# KiCad board motordecoder2-roomlight.kicad_pcb (continued)
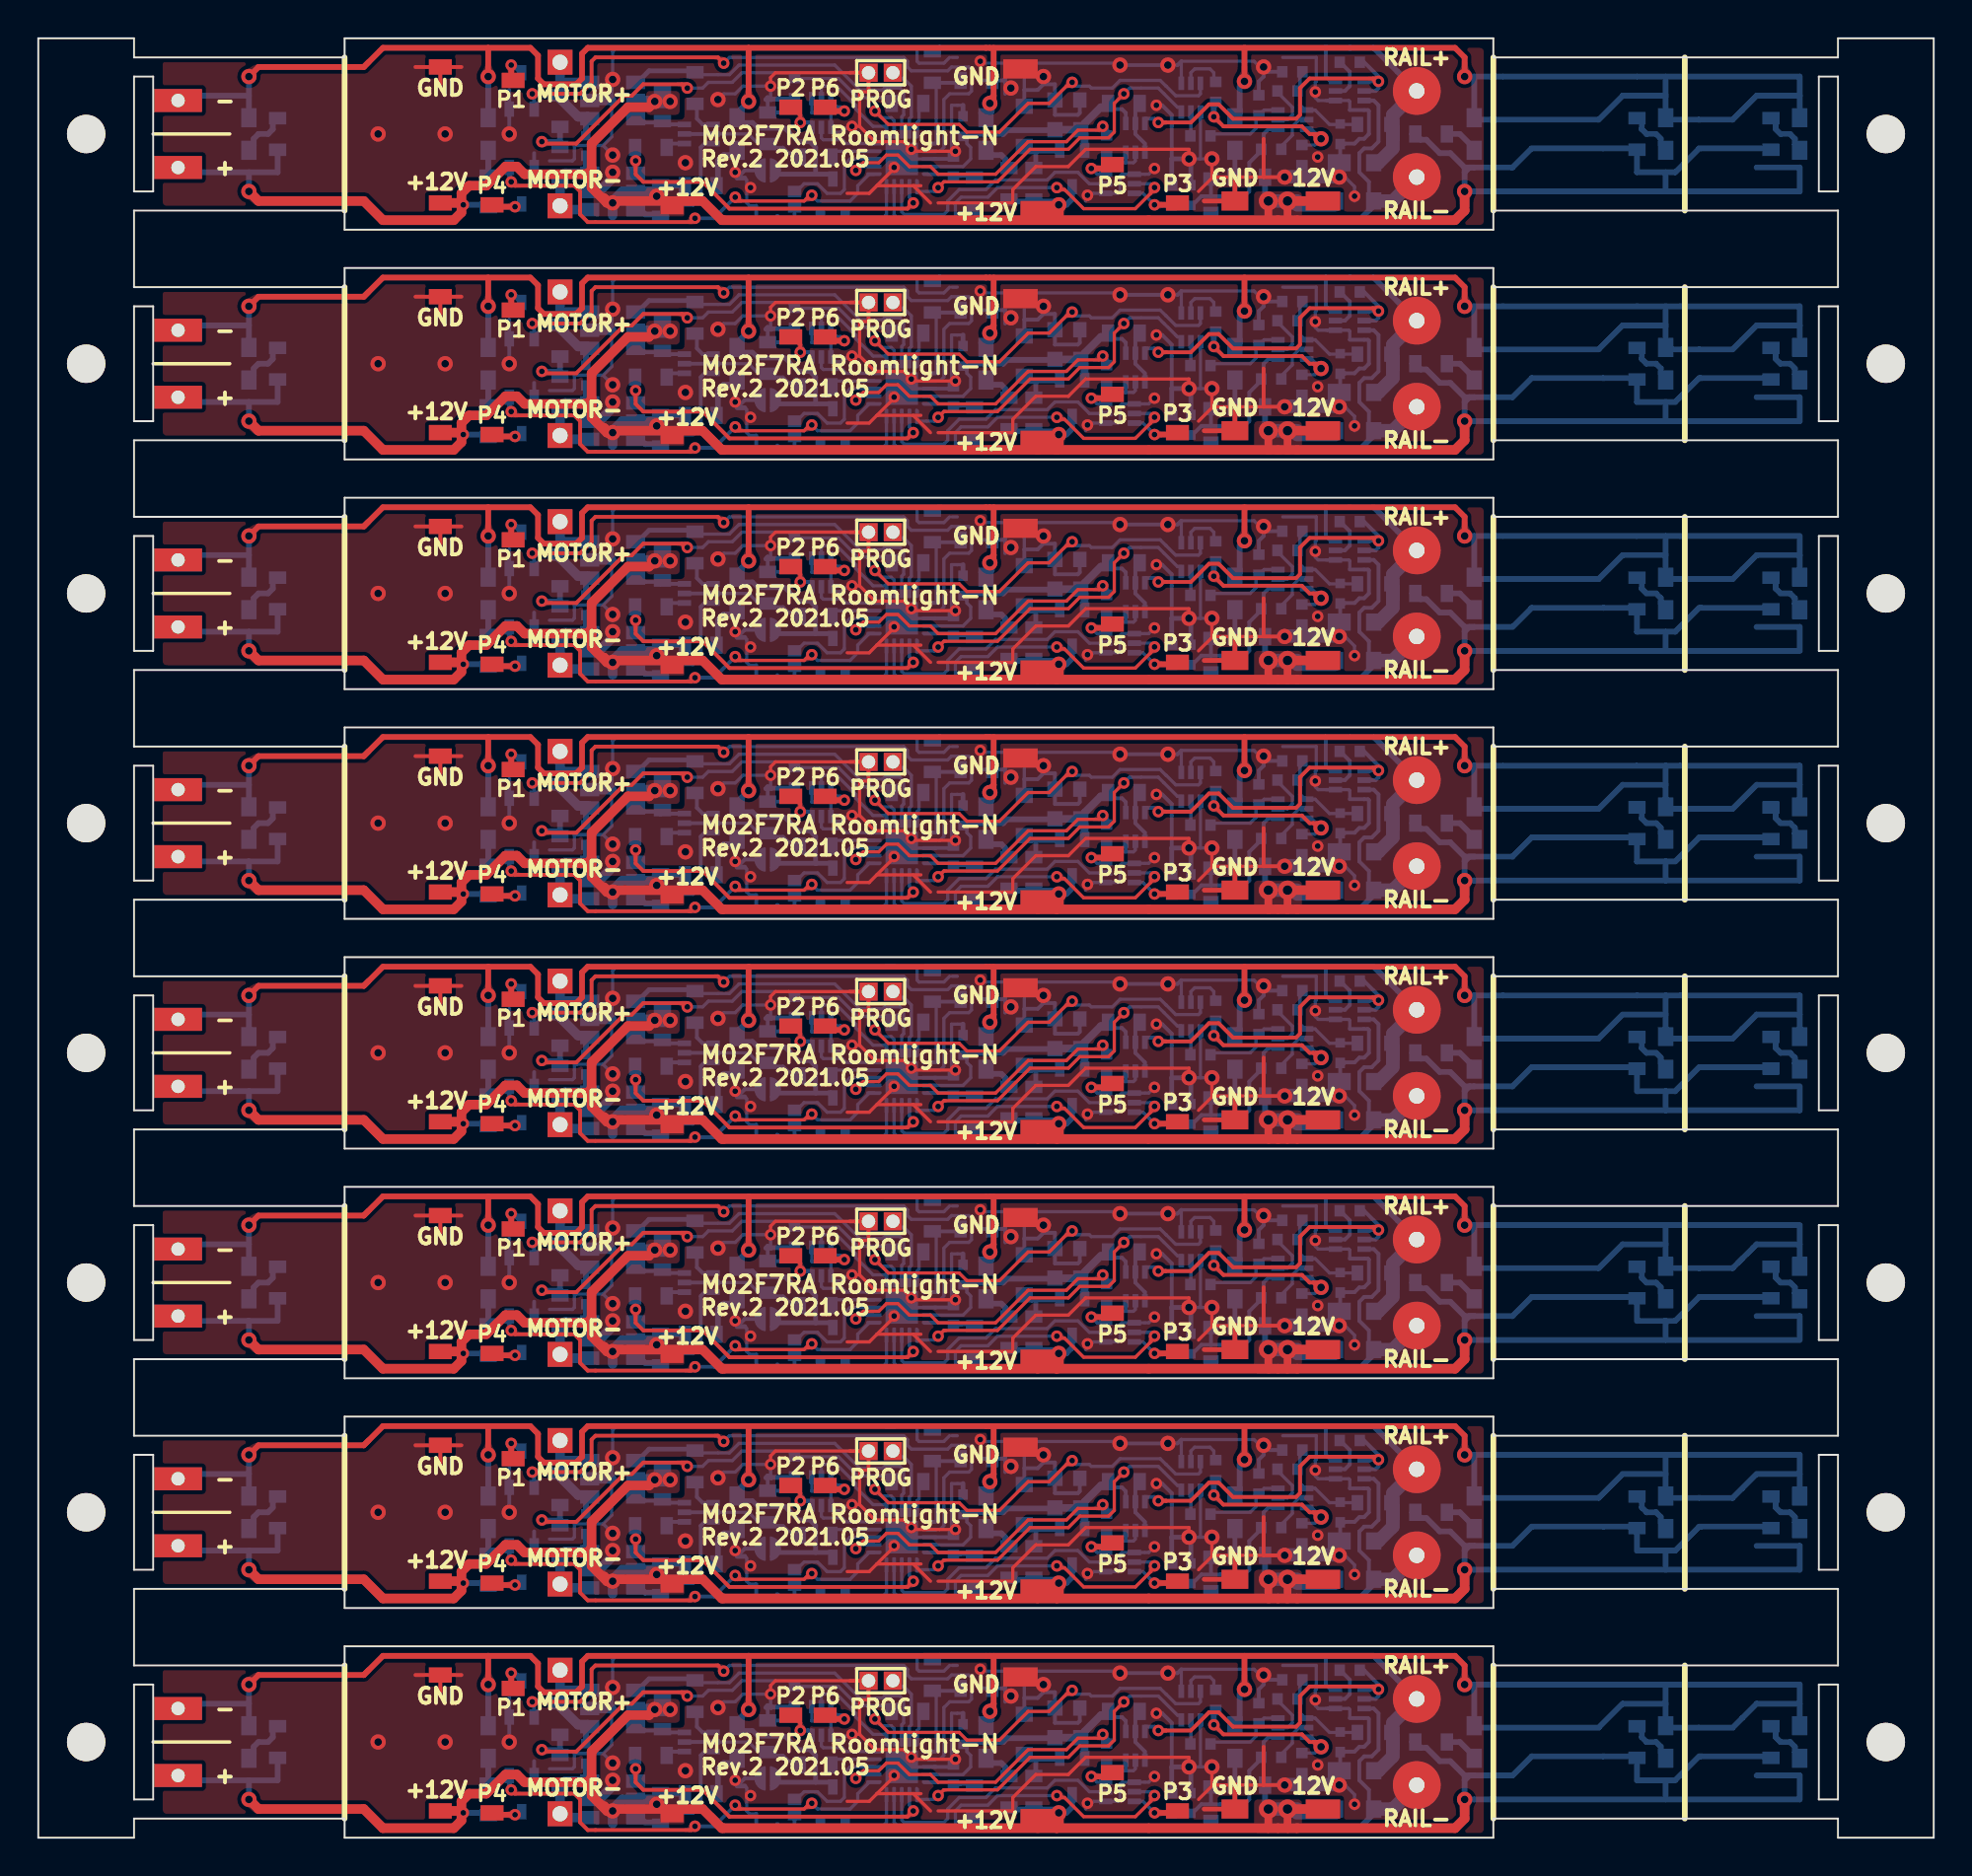
[diagram p0: board, top side]
## Routing (per net, layer and track width the routed paths; a pad name or vN(x,y) marks a point on that pad's centre or on a via; arc(x,y) is an arc through that point) (continued)
  Bottom w0.25: Q17#2.3 41.5,74.8 41.4,74.9 40.6,74.9 ; Q17#2.3 41.5,74.7 ; Q17#2.3 41.45,74.65 ; Q17#3.3 41.5,62.8 41.4,62.9 40.6,62.9 ; Q17#3.3 41.5,62.7 ; Q17#3.3 41.45,62.65 ; Q17#4.3 41.5,50.8 41.4,50.9 40.6,50.9 ; Q17#4.3 41.5,50.7 ; Q17#4.3 41.45,50.65 ; Q17#5.3 41.5,38.8 41.4,38.9 40.6,38.9 ; Q17#5.3 41.5,38.7 ; Q17#5.3 41.45,38.65 ; Q17#6.3 41.5,26.8 41.4,26.9 40.6,26.9 ; Q17#6.3 41.5,26.7 ; Q17#6.3 41.45,26.65 ; Q17#7.3 41.5,14.8 41.4,14.9 40.6,14.9 ; Q17#7.3 41.5,14.7 ; Q17#7.3 41.45,14.65 ; Q17#8.3 41.5,2.8 41.4,2.9 40.6,2.9 ; Q17#8.3 41.5,2.7 ; Q17#8.3 41.45,2.65 ; 40.6,74.9 38.55,74.9 38.35,74.7 ; 40.6,74.9 40.6,76.3 40.3,76.6 39.7,76.6 39,77.3 37.6,77.3 37.3,77.6 36.75,77.6 D46#2.1 36.55,77.8 ; 40.6,62.9 38.55,62.9 38.35,62.7 ; 40.6,62.9 40.6,64.3 40.3,64.6 39.7,64.6 39,65.3 37.6,65.3 37.3,65.6 36.75,65.6 D46#3.1 36.55,65.8 ; 40.6,50.9 38.55,50.9 38.35,50.7 ; 40.6,50.9 40.6,52.3 40.3,52.6 39.7,52.6 39,53.3 37.6,53.3 37.3,53.6 36.75,53.6 D46#4.1 36.55,53.8 ; 40.6,38.9 38.55,38.9 38.35,38.7 ; 40.6,38.9 40.6,40.3 40.3,40.6 39.7,40.6 39,41.3 37.6,41.3 37.3,41.6 36.75,41.6 D46#5.1 36.55,41.8 ; 40.6,26.9 38.55,26.9 38.35,26.7 ; 40.6,26.9 40.6,28.3 40.3,28.6 39.7,28.6 39,29.3 37.6,29.3 37.3,29.6 36.75,29.6 D46#6.1 36.55,29.8 ; 40.6,14.9 38.55,14.9 38.35,14.7 ; 40.6,14.9 40.6,16.3 40.3,16.6 39.7,16.6 39,17.3 37.6,17.3 37.3,17.6 36.75,17.6 D46#7.1 36.55,17.8 ; 40.6,2.9 38.55,2.9 38.35,2.7 ; 40.6,2.9 40.6,4.3 40.3,4.6 39.7,4.6 39,5.3 37.6,5.3 37.3,5.6 36.75,5.6 D46#8.1 36.55,5.8 ; 62.5,77.75 D44#2.1 ; 62.5,65.75 D44#3.1 ; 62.5,53.75 D44#4.1 ; 62.5,41.75 D44#5.1 ; 62.5,29.75 D44#6.1 ; 62.5,17.75 D44#7.1 ; 62.5,5.75 D44#8.1 ; 40.6,86.9 38.55,86.9 38.35,86.7 ; 40.6,86.9 40.6,88.3 40.3,88.6 39.7,88.6 39,89.3 37.6,89.3 37.3,89.6 36.75,89.6 D46.1 36.55,89.8 ; 40.6,86.9 41.4,86.9 41.5,86.8 Q17.3 ; 62.5,89.75 D44.1 ; Q17.3 41.45,86.65 ; Q17.3 41.5,86.7
  Bottom w0.3: D47#2.1 23.6,77.85 ; D47#2.1 23.5,78 ; D47#2.1 v1(23.5,80) ; D47#3.1 23.6,65.85 ; D47#3.1 23.5,66 ; D47#3.1 v1(23.5,68) ; D47#4.1 23.6,53.85 ; D47#4.1 23.5,54 ; D47#4.1 v1(23.5,56) ; D47#5.1 23.6,41.85 ; D47#5.1 23.5,42 ; D47#5.1 v1(23.5,44) ; D47#6.1 23.6,29.85 ; D47#6.1 23.5,30 ; D47#6.1 v1(23.5,32) ; D47#7.1 23.6,17.85 ; D47#7.1 23.5,18 ; D47#7.1 v1(23.5,20) ; D47#8.1 23.6,5.85 ; D47#8.1 23.5,6 ; D47#8.1 v1(23.5,8) ; D42#2.1 84.9,77.75 ; D42#2.1 85,79 ; D42#2.1 85.1,77.75 88.5,77.75 89.75,79 92,79 ; D42#3.1 84.9,65.75 ; D42#3.1 85,67 ; D42#3.1 85.1,65.75 88.5,65.75 89.75,67 92,67 ; D42#4.1 84.9,53.75 ; D42#4.1 85,55 ; D42#4.1 85.1,53.75 88.5,53.75 89.75,55 92,55 ; D42#5.1 84.9,41.75 ; D42#5.1 85,43 ; D42#5.1 85.1,41.75 88.5,41.75 89.75,43 92,43 ; D42#6.1 84.9,29.75 ; D42#6.1 85,31 ; D42#6.1 85.1,29.75 88.5,29.75 89.75,31 92,31 ; D42#7.1 84.9,17.75 ; D42#7.1 85,19 ; D42#7.1 85.1,17.75 88.5,17.75 89.75,19 92,19 ; D42#8.1 84.9,5.75 ; D42#8.1 85,7 ; D42#8.1 85.1,5.75 88.5,5.75 89.75,7 92,7 ; 85,80 75,80 ; 85,80 92,80 92,79 ; 85,80 85,79 ; 85,68 75,68 ; 85,68 92,68 92,67 ; 85,68 85,67 ; 85,56 75,56 ; 85,56 92,56 92,55 ; 85,56 85,55 ; 85,44 75,44 ; 85,44 92,44 92,43 ; 85,44 85,43 ; 85,32 75,32 ; 85,32 92,32 92,31 ; 85,32 85,31 ; 85,20 75,20 ; 85,20 92,20 92,19 ; 85,20 85,19 ; 85,8 75,8 ; 85,8 92,8 92,7 ; 85,8 85,7 ; 85,79 82.75,79 81.5,77.75 75.1,77.75 D43#2.1 ; 85,67 82.75,67 81.5,65.75 75.1,65.75 D43#3.1 ; 85,55 82.75,55 81.5,53.75 75.1,53.75 D43#4.1 ; 85,43 82.75,43 81.5,41.75 75.1,41.75 D43#5.1 ; 85,31 82.75,31 81.5,29.75 75.1,29.75 D43#6.1 ; 85,19 82.75,19 81.5,17.75 75.1,17.75 D43#7.1 ; 85,7 82.75,7 81.5,5.75 75.1,5.75 D43#8.1 ; 75,77.75 D43#2.1 ; D43#2.1 75,80 ; 75,65.75 D43#3.1 ; D43#3.1 75,68 ; 75,53.75 D43#4.1 ; D43#4.1 75,56 ; 75,41.75 D43#5.1 ; D43#5.1 75,44 ; 75,29.75 D43#6.1 ; D43#6.1 75,32 ; 75,17.75 D43#7.1 ; D43#7.1 75,20 ; 75,5.75 D43#8.1 ; D43#8.1 75,8 ; 92,79 D41#2.1 91.9,77.75 ; 92,67 D41#3.1 91.9,65.75 ; 92,55 D41#4.1 91.9,53.75 ; 92,43 D41#5.1 91.9,41.75 ; 92,31 D41#6.1 91.9,29.75 ; 92,19 D41#7.1 91.9,17.75 ; 92,7 D41#8.1 91.9,5.75 ; D44#2.1 62.75,78.1 62.75,79.5 v1(63,79.75) ; D44#3.1 62.75,66.1 62.75,67.5 v1(63,67.75) ; D44#4.1 62.75,54.1 62.75,55.5 v1(63,55.75) ; D44#5.1 62.75,42.1 62.75,43.5 v1(63,43.75) ; D44#6.1 62.75,30.1 62.75,31.5 v1(63,31.75) ; D44#7.1 62.75,18.1 62.75,19.5 v1(63,19.75) ; D44#8.1 62.75,6.1 62.75,7.5 v1(63,7.75) ; 7.75,78.75 8,79 11,79 ; 7.75,66.75 8,67 11,67 ; 7.75,54.75 8,55 11,55 ; 7.75,42.75 8,43 11,43 ; 7.75,30.75 8,31 11,31 ; 7.75,18.75 8,19 11,19 ; 7.75,6.75 8,7 11,7 ; 75,80 v1(74.5,80) ; 75,68 v1(74.5,68) ; 75,56 v1(74.5,56) ; 75,44 v1(74.5,44) ; 75,32 v1(74.5,32) ; 75,20 v1(74.5,20) ; 75,8 v1(74.5,8) ; 36.6,77.95 D46#2.1 ; D46#2.1 36.5,78.1 v1(37.1,78.7) ; D46#2.1 36.3,78.05 ; D46#2.1 36.75,78.1 ; 36.6,65.95 D46#3.1 ; D46#3.1 36.5,66.1 v1(37.1,66.7) ; D46#3.1 36.3,66.05 ; D46#3.1 36.75,66.1 ; 36.6,53.95 D46#4.1 ; D46#4.1 36.5,54.1 v1(37.1,54.7) ; D46#4.1 36.3,54.05 ; D46#4.1 36.75,54.1 ; 36.6,41.95 D46#5.1 ; D46#5.1 36.5,42.1 v1(37.1,42.7) ; D46#5.1 36.3,42.05 ; D46#5.1 36.75,42.1 ; 36.6,29.95 D46#6.1 ; D46#6.1 36.5,30.1 v1(37.1,30.7) ; D46#6.1 36.3,30.05 ; D46#6.1 36.75,30.1 ; 36.6,17.95 D46#7.1 ; D46#7.1 36.5,18.1 v1(37.1,18.7) ; D46#7.1 36.3,18.05 ; D46#7.1 36.75,18.1 ; 36.6,5.95 D46#8.1 ; D46#8.1 36.5,6.1 v1(37.1,6.7) ; D46#8.1 36.3,6.05 ; D46#8.1 36.75,6.1 ; 10.9,77.75 D48#2.1 11,79 ; 10.9,65.75 D48#3.1 11,67 ; 10.9,53.75 D48#4.1 11,55 ; 10.9,41.75 D48#5.1 11,43 ; 10.9,29.75 D48#6.1 11,31 ; 10.9,17.75 D48#7.1 11,19 ; 10.9,5.75 D48#8.1 11,7 ; 11,79 v1(11,80) ; 11,67 v1(11,68) ; 11,55 v1(11,56) ; 11,43 v1(11,44) ; 11,31 v1(11,32) ; 11,19 v1(11,20) ; 11,7 v1(11,8) ; D45#2.1 49.25,78.1 ; D45#2.1 49.5,77.9 49.8,78.2 49.8,78.8 ; D45#2.1 49.7,78.05 ; D45#3.1 49.25,66.1 ; D45#3.1 49.5,65.9 49.8,66.2 49.8,66.8 ; D45#3.1 49.7,66.05 ; D45#4.1 49.25,54.1 ; D45#4.1 49.5,53.9 49.8,54.2 49.8,54.8 ; D45#4.1 49.7,54.05 ; D45#5.1 49.25,42.1 ; D45#5.1 49.5,41.9 49.8,42.2 49.8,42.8 ; D45#5.1 49.7,42.05 ; D45#6.1 49.25,30.1 ; D45#6.1 49.5,29.9 49.8,30.2 49.8,30.8 ; D45#6.1 49.7,30.05 ; D45#7.1 49.25,18.1 ; D45#7.1 49.5,17.9 49.8,18.2 49.8,18.8 ; D45#7.1 49.7,18.05 ; D45#8.1 49.25,6.1 ; D45#8.1 49.5,5.9 49.8,6.2 49.8,6.8 ; D45#8.1 49.7,6.05 ; 75,92 85,92 ; 75,92 D43.1 ; 75,92 v1(74.5,92) ; v1(63,91.75) 62.75,91.5 62.75,90.1 D44.1 ; D47.1 23.5,90 ; D47.1 v1(23.5,92) ; D47.1 23.6,89.85 ; 49.8,90.8 49.8,90.2 49.5,89.9 D45.1 ; D42.1 84.9,89.75 ; D42.1 85,91 ; D42.1 85.1,89.75 88.5,89.75 89.75,91 92,91 ; 85,91 82.75,91 81.5,89.75 75.1,89.75 D43.1 ; 85,91 85,92 ; 11,91 D48.1 10.9,89.75 ; 11,91 8,91 7.75,90.75 ; 11,91 v1(11,92) ; D43.1 75,89.75 ; 85,92 92,92 92,91 ; D45.1 49.25,90.1 ; D45.1 49.7,90.05 ; 36.6,89.95 D46.1 ; D46.1 36.75,90.1 ; D46.1 36.5,90.1 v1(37.1,90.7) ; D46.1 36.3,90.05 ; 92,91 D41.1 91.9,89.75
Net-(D41-Pad2): length 23.3
  Bottom w0.3: 90.6,89.75 90.5,89.85 90.75,89.6 90.75,89.25 91,89 91.5,89 91.75,88.75 91.75,88.45 92,88.2 ; 92,76.2 91.75,76.45 91.75,76.75 91.5,77 91,77 90.75,77.25 90.75,77.6 90.5,77.85 90.6,77.75 ; 92,64.2 91.75,64.45 91.75,64.75 91.5,65 91,65 90.75,65.25 90.75,65.6 90.5,65.85 90.6,65.75 ; 92,52.2 91.75,52.45 91.75,52.75 91.5,53 91,53 90.75,53.25 90.75,53.6 90.5,53.85 90.6,53.75 ; 92,40.2 91.75,40.45 91.75,40.75 91.5,41 91,41 90.75,41.25 90.75,41.6 90.5,41.85 90.6,41.75 ; 92,28.2 91.75,28.45 91.75,28.75 91.5,29 91,29 90.75,29.25 90.75,29.6 90.5,29.85 90.6,29.75 ; 92,16.2 91.75,16.45 91.75,16.75 91.5,17 91,17 90.75,17.25 90.75,17.6 90.5,17.85 90.6,17.75 ; 92,4.2 91.75,4.45 91.75,4.75 91.5,5 91,5 90.75,5.25 90.75,5.6 90.5,5.85 90.6,5.75 ; 90.45,77.75 90.5,77.8 ; 90.45,65.75 90.5,65.8 ; 90.45,53.75 90.5,53.8 ; 90.45,41.75 90.5,41.8 ; 90.45,29.75 90.5,29.8 ; 90.45,17.75 90.5,17.8 ; 90.45,5.75 90.5,5.8 ; 91.9,76.25 D41#2.2 ; 91.9,64.25 D41#3.2 ; 91.9,52.25 D41#4.2 ; 91.9,40.25 D41#5.2 ; 91.9,28.25 D41#6.2 ; 91.9,16.25 D41#7.2 ; 91.9,4.25 D41#8.2 ; 90.45,89.75 90.5,89.8 ; 91.9,88.25 D41.2
Net-(D42-Pad2): length 24.5
  Bottom w0.3: 83.6,89.75 83.5,89.85 83.75,89.6 83.75,89.25 84,89 84.5,89 84.75,88.75 84.75,88.45 85,88.2 ; 84.9,76.25 D42#2.2 85.1,76.25 ; 84.9,64.25 D42#3.2 85.1,64.25 ; 84.9,52.25 D42#4.2 85.1,52.25 ; 84.9,40.25 D42#5.2 85.1,40.25 ; 84.9,28.25 D42#6.2 85.1,28.25 ; 84.9,16.25 D42#7.2 85.1,16.25 ; 84.9,4.25 D42#8.2 85.1,4.25 ; 83.6,77.75 83.5,77.85 83.75,77.6 83.75,77.25 84,77 84.5,77 84.75,76.75 84.75,76.45 85,76.2 ; 83.6,65.75 83.5,65.85 83.75,65.6 83.75,65.25 84,65 84.5,65 84.75,64.75 84.75,64.45 85,64.2 ; 83.6,53.75 83.5,53.85 83.75,53.6 83.75,53.25 84,53 84.5,53 84.75,52.75 84.75,52.45 85,52.2 ; 83.6,41.75 83.5,41.85 83.75,41.6 83.75,41.25 84,41 84.5,41 84.75,40.75 84.75,40.45 85,40.2 ; 83.6,29.75 83.5,29.85 83.75,29.6 83.75,29.25 84,29 84.5,29 84.75,28.75 84.75,28.45 85,28.2 ; 83.6,17.75 83.5,17.85 83.75,17.6 83.75,17.25 84,17 84.5,17 84.75,16.75 84.75,16.45 85,16.2 ; 83.6,5.75 83.5,5.85 83.75,5.6 83.75,5.25 84,5 84.5,5 84.75,4.75 84.75,4.45 85,4.2 ; 83.45,77.75 83.5,77.8 ; 83.45,65.75 83.5,65.8 ; 83.45,53.75 83.5,53.8 ; 83.45,41.75 83.5,41.8 ; 83.45,29.75 83.5,29.8 ; 83.45,17.75 83.5,17.8 ; 83.45,5.75 83.5,5.8 ; 83.45,89.75 83.5,89.8 ; 84.9,88.25 D42.2 85.1,88.25
Net-(D43-Pad2): length 18.5
  Bottom w0.3: 73.55,77 73.55,77.05 73.75,77.25 ; 73.55,65 73.55,65.05 73.75,65.25 ; 73.55,53 73.55,53.05 73.75,53.25 ; 73.55,41 73.55,41.05 73.75,41.25 ; 73.55,29 73.55,29.05 73.75,29.25 ; 73.55,17 73.55,17.05 73.75,17.25 ; 73.55,5 73.55,5.05 73.75,5.25 ; R43#2.2 74.25,77 75,76.25 D43#2.2 75.1,76.25 ; R43#3.2 74.25,65 75,64.25 D43#3.2 75.1,64.25 ; R43#4.2 74.25,53 75,52.25 D43#4.2 75.1,52.25 ; R43#5.2 74.25,41 75,40.25 D43#5.2 75.1,40.25 ; R43#6.2 74.25,29 75,28.25 D43#6.2 75.1,28.25 ; R43#7.2 74.25,17 75,16.25 D43#7.2 75.1,16.25 ; R43#8.2 74.25,5 75,4.25 D43#8.2 75.1,4.25 ; 73.75,89.25 73.55,89.05 73.55,89 ; R43.2 74.25,89 75,88.25 D43.2 75.1,88.25
Net-(D44-Pad2): length 12.5
  Bottom w0.25: R44#2.2 62.5,74.83 D44#2.2 62.5,76.25 ; R44#3.2 62.5,62.83 D44#3.2 62.5,64.25 ; R44#4.2 62.5,50.83 D44#4.2 62.5,52.25 ; R44#5.2 62.5,38.83 D44#5.2 62.5,40.25 ; R44#6.2 62.5,26.83 D44#6.2 62.5,28.25 ; R44#7.2 62.5,14.83 D44#7.2 62.5,16.25 ; R44#8.2 62.5,2.83 D44#8.2 62.5,4.25 ; 62.5,88.25 D44.2 62.5,86.83 R44.2
  Bottom w0.3: 62.53,76.17 D44#2.2 ; 62.53,64.17 D44#3.2 ; 62.53,52.17 D44#4.2 ; 62.53,40.17 D44#5.2 ; 62.53,28.17 D44#6.2 ; 62.53,16.17 D44#7.2 ; 62.53,4.17 D44#8.2 ; 62.53,88.17 D44.2
Net-(D45-Pad2): length 14.8
  Bottom w0.3: D45#2.2 49.75,75.9 50.3,75.9 50.5,75.7 50.5,75.33 50.7,75.12 ; D45#3.2 49.75,63.9 50.3,63.9 50.5,63.7 50.5,63.33 50.7,63.12 ; D45#4.2 49.75,51.9 50.3,51.9 50.5,51.7 50.5,51.33 50.7,51.12 ; D45#5.2 49.75,39.9 50.3,39.9 50.5,39.7 50.5,39.33 50.7,39.12 ; D45#6.2 49.75,27.9 50.3,27.9 50.5,27.7 50.5,27.33 50.7,27.12 ; D45#7.2 49.75,15.9 50.3,15.9 50.5,15.7 50.5,15.33 50.7,15.12 ; D45#8.2 49.75,3.9 50.3,3.9 50.5,3.7 50.5,3.33 50.7,3.12 ; D45.2 49.75,87.9 50.3,87.9 50.5,87.7 50.5,87.33 50.7,87.12
Net-(D46-Pad2): length 20.5
  Bottom w0.3: D46#2.2 36.25,75.9 35.8,75.9 35.5,75.6 35.5,74.38 35.43,74.3 ; D46#3.2 36.25,63.9 35.8,63.9 35.5,63.6 35.5,62.38 35.43,62.3 ; D46#4.2 36.25,51.9 35.8,51.9 35.5,51.6 35.5,50.38 35.43,50.3 ; D46#5.2 36.25,39.9 35.8,39.9 35.5,39.6 35.5,38.38 35.43,38.3 ; D46#6.2 36.25,27.9 35.8,27.9 35.5,27.6 35.5,26.38 35.43,26.3 ; D46#7.2 36.25,15.9 35.8,15.9 35.5,15.6 35.5,14.38 35.43,14.3 ; D46#8.2 36.25,3.9 35.8,3.9 35.5,3.6 35.5,2.38 35.43,2.3 ; 35.43,86.3 35.5,86.38 35.5,87.6 35.8,87.9 36.25,87.9 D46.2
Net-(D47-Pad2): length 10.6
  Bottom w0.3: D47#2.2 R47#2.2 ; D47#3.2 R47#3.2 ; D47#4.2 R47#4.2 ; D47#5.2 R47#5.2 ; D47#6.2 R47#6.2 ; D47#7.2 R47#7.2 ; D47#8.2 R47#8.2 ; D47.2 R47.2
Net-(D48-Pad2): length 25.2
  Bottom w0.3: 10.9,88.25 D48.2 ; D48.2 11.25,88.4 11.25,88.75 11.5,89 12,89 12.25,89.25 12.25,89.58 R48.2 ; D48.2 11.1,88.25 ; D48.2 10.85,88 ; 12.55,89.75 12.5,89.8 ; D48#2.2 11.25,76.4 11.25,76.75 11.5,77 12,77 12.25,77.25 12.25,77.58 R48#2.2 ; D48#2.2 11.1,76.25 ; D48#2.2 10.85,76 ; D48#2.2 10.9,76.25 ; D48#3.2 11.25,64.4 11.25,64.75 11.5,65 12,65 12.25,65.25 12.25,65.58 R48#3.2 ; D48#3.2 11.1,64.25 ; D48#3.2 10.85,64 ; D48#3.2 10.9,64.25 ; D48#4.2 11.25,52.4 11.25,52.75 11.5,53 12,53 12.25,53.25 12.25,53.58 R48#4.2 ; D48#4.2 11.1,52.25 ; D48#4.2 10.85,52 ; D48#4.2 10.9,52.25 ; D48#5.2 11.25,40.4 11.25,40.75 11.5,41 12,41 12.25,41.25 12.25,41.58 R48#5.2 ; D48#5.2 11.1,40.25 ; D48#5.2 10.85,40 ; D48#5.2 10.9,40.25 ; D48#6.2 11.25,28.4 11.25,28.75 11.5,29 12,29 12.25,29.25 12.25,29.58 R48#6.2 ; D48#6.2 11.1,28.25 ; D48#6.2 10.85,28 ; D48#6.2 10.9,28.25 ; D48#7.2 11.25,16.4 11.25,16.75 11.5,17 12,17 12.25,17.25 12.25,17.58 R48#7.2 ; D48#7.2 11.1,16.25 ; D48#7.2 10.85,16 ; D48#7.2 10.9,16.25 ; D48#8.2 11.25,4.4 11.25,4.75 11.5,5 12,5 12.25,5.25 12.25,5.58 R48#8.2 ; D48#8.2 11.1,4.25 ; D48#8.2 10.85,4 ; D48#8.2 10.9,4.25 ; 12.55,77.75 12.5,77.8 ; 12.55,65.75 12.5,65.8 ; 12.55,53.75 12.5,53.8 ; 12.55,41.75 12.5,41.8 ; 12.55,29.75 12.5,29.8 ; 12.55,17.75 12.5,17.8 ; 12.55,5.75 12.5,5.8
Net-(J11-Pad1): length 12.1
  Top w0.3: v3(24.7,80.6) 24.7,79.8 ; v3(24.7,68.6) 24.7,67.8 ; v3(24.7,56.6) 24.7,55.8 ; v3(24.7,44.6) 24.7,43.8 ; v3(24.7,32.6) 24.7,31.8 ; v3(24.7,20.6) 24.7,19.8 ; v3(24.7,8.6) 24.7,7.8 ; v3(24.7,92.6) 24.7,91.8
  Bottom w0.3: Q11#2.3 24.85,80.6 v3(24.7,80.6) ; Q11#3.3 24.85,68.6 v3(24.7,68.6) ; Q11#4.3 24.85,56.6 v3(24.7,56.6) ; Q11#5.3 24.85,44.6 v3(24.7,44.6) ; Q11#6.3 24.85,32.6 v3(24.7,32.6) ; Q11#7.3 24.85,20.6 v3(24.7,20.6) ; Q11#8.3 24.85,8.6 v3(24.7,8.6) ; Q11.3 24.85,92.6 v3(24.7,92.6)
Net-(J12-Pad1): length 13.2
  Top w0.3: J12#2.1 23.8,73.2 v3(24.9,73.2) ; J12#3.1 23.8,61.2 v3(24.9,61.2) ; J12#4.1 23.8,49.2 v3(24.9,49.2) ; J12#5.1 23.8,37.2 v3(24.9,37.2) ; J12#6.1 23.8,25.2 v3(24.9,25.2) ; J12#7.1 23.8,13.2 v3(24.9,13.2) ; J12#8.1 23.8,1.2 v3(24.9,1.2) ; J12.1 23.8,85.2 v3(24.9,85.2)
  Bottom w0.3: Q12#2.3 25.05,73.35 v3(24.9,73.2) ; Q12#3.3 25.05,61.35 v3(24.9,61.2) ; Q12#4.3 25.05,49.35 v3(24.9,49.2) ; Q12#5.3 25.05,37.35 v3(24.9,37.2) ; Q12#6.3 25.05,25.35 v3(24.9,25.2) ; Q12#7.3 25.05,13.35 v3(24.9,13.2) ; Q12#8.3 25.05,1.35 v3(24.9,1.2) ; v3(24.9,85.2) 25.05,85.35 Q12.3
Net-(J13-Pad1): length 16.5
  Top w0.3: J13#2.1 55.9,75.2 v3(55,75.2) ; J13#3.1 55.9,63.2 v3(55,63.2) ; J13#4.1 55.9,51.2 v3(55,51.2) ; J13#5.1 55.9,39.2 v3(55,39.2) ; J13#6.1 55.9,27.2 v3(55,27.2) ; J13#7.1 55.9,15.2 v3(55,15.2) ; J13#8.1 55.9,3.2 v3(55,3.2) ; v3(55,87.2) 55.9,87.2 J13.1
  Bottom w0.17: Q13#2.6 55.3,74.9 v3(55,75.2) ; Q13#3.6 55.3,62.9 v3(55,63.2) ; Q13#4.6 55.3,50.9 v3(55,51.2) ; Q13#5.6 55.3,38.9 v3(55,39.2) ; Q13#6.6 55.3,26.9 v3(55,27.2) ; Q13#7.6 55.3,14.9 v3(55,15.2) ; Q13#8.6 55.3,2.9 v3(55,3.2) ; v3(55,87.2) 55.3,86.9 Q13.6
Net-(J14-Pad1): length 24.5
  Top w0.3: v3(58.3,73.3) 59.4,73.3 J14#2.1 ; v3(58.3,61.3) 59.4,61.3 J14#3.1 ; v3(58.3,49.3) 59.4,49.3 J14#4.1 ; v3(58.3,37.3) 59.4,37.3 J14#5.1 ; v3(58.3,25.3) 59.4,25.3 J14#6.1 ; v3(58.3,13.3) 59.4,13.3 J14#7.1 ; v3(58.3,1.3) 59.4,1.3 J14#8.1 ; J14.1 59.4,85.3 v3(58.3,85.3)
  Bottom w0.17: 58,73.6 v3(58.3,73.3) 57.7,73.9 Q13#2.3 ; 58,61.6 v3(58.3,61.3) 57.7,61.9 Q13#3.3 ; 58,49.6 v3(58.3,49.3) 57.7,49.9 Q13#4.3 ; 58,37.6 v3(58.3,37.3) 57.7,37.9 Q13#5.3 ; 58,25.6 v3(58.3,25.3) 57.7,25.9 Q13#6.3 ; 58,13.6 v3(58.3,13.3) 57.7,13.9 Q13#7.3 ; 58,1.6 v3(58.3,1.3) 57.7,1.9 Q13#8.3 ; 58.3,73.4 58.3,73.5 ; 58.3,61.4 58.3,61.5 ; 58.3,49.4 58.3,49.5 ; 58.3,37.4 58.3,37.5 ; 58.3,25.4 58.3,25.5 ; 58.3,13.4 58.3,13.5 ; 58.3,1.4 58.3,1.5 ; 58.3,85.4 58.3,85.5 ; 58,85.6 v3(58.3,85.3) 57.7,85.9 Q13.3
Net-(J16-Pad1): length 17.1
  Top w0.3: J16#2.1 41.3,78.2 v3(42.1,78.2) ; J16#3.1 41.3,66.2 v3(42.1,66.2) ; J16#4.1 41.3,54.2 v3(42.1,54.2) ; J16#5.1 41.3,42.2 v3(42.1,42.2) ; J16#6.1 41.3,30.2 v3(42.1,30.2) ; J16#7.1 41.3,18.2 v3(42.1,18.2) ; J16#8.1 41.3,6.2 v3(42.1,6.2) ; J16.1 41.3,90.2 v3(42.1,90.2)
  Bottom w0.2: Q14#2.6 41.4,78.7 41.7,78.4 41.9,78.4 v3(42.1,78.2) ; Q14#3.6 41.4,66.7 41.7,66.4 41.9,66.4 v3(42.1,66.2) ; Q14#4.6 41.4,54.7 41.7,54.4 41.9,54.4 v3(42.1,54.2) ; Q14#5.6 41.4,42.7 41.7,42.4 41.9,42.4 v3(42.1,42.2) ; Q14#6.6 41.4,30.7 41.7,30.4 41.9,30.4 v3(42.1,30.2) ; Q14#7.6 41.4,18.7 41.7,18.4 41.9,18.4 v3(42.1,18.2) ; Q14#8.6 41.4,6.7 41.7,6.4 41.9,6.4 v3(42.1,6.2) ; v3(42.1,90.2) 41.9,90.4 41.7,90.4 41.4,90.7 Q14.6
Net-(J18-Pad1): length 16.9
  Top w0.2: J18#2.1 39.4,78.4 39.8,78 v3(39.8,77.6) ; J18#3.1 39.4,66.4 39.8,66 v3(39.8,65.6) ; J18#4.1 39.4,54.4 39.8,54 v3(39.8,53.6) ; J18#5.1 39.4,42.4 39.8,42 v3(39.8,41.6) ; J18#6.1 39.4,30.4 39.8,30 v3(39.8,29.6) ; J18#7.1 39.4,18.4 39.8,18 v3(39.8,17.6) ; J18#8.1 39.4,6.4 39.8,6 v3(39.8,5.6) ; J18.1 39.4,90.4 39.8,90 v3(39.8,89.6)
  Bottom w0.2: Q14#2.3 40.4,77.6 40.2,77.6 ; Q14#3.3 40.4,65.6 40.2,65.6 ; Q14#4.3 40.4,53.6 40.2,53.6 ; Q14#5.3 40.4,41.6 40.2,41.6 ; Q14#6.3 40.4,29.6 40.2,29.6 ; Q14#7.3 40.4,17.6 40.2,17.6 ; Q14#8.3 40.4,5.6 40.2,5.6 ; 40.2,77.6 v3(39.8,77.6) ; 40.2,77.6 40,77.6 ; 40.2,65.6 v3(39.8,65.6) ; 40.2,65.6 40,65.6 ; 40.2,53.6 v3(39.8,53.6) ; 40.2,53.6 40,53.6 ; 40.2,41.6 v3(39.8,41.6) ; 40.2,41.6 40,41.6 ; 40.2,29.6 v3(39.8,29.6) ; 40.2,29.6 40,29.6 ; 40.2,17.6 v3(39.8,17.6) ; 40.2,17.6 40,17.6 ; 40.2,5.6 v3(39.8,5.6) ; 40.2,5.6 40,5.6 ; 40.2,89.6 v3(39.8,89.6) ; 40.2,89.6 40,89.6 ; 40.2,89.6 40.4,89.6 Q14.3
Net-(Q1-Pad3): length 23
  Bottom w0.2: 32.62,77.6 32.5,77.47 ; 32.5,77.47 32.53,77.5 Q3#2.6 ; 32.5,77.47 32.38,77.6 31.7,77.6 31.5,77.8 Q1#2.3 ; 32.62,65.6 32.5,65.47 ; 32.5,65.47 32.53,65.5 Q3#3.6 ; 32.5,65.47 32.38,65.6 31.7,65.6 31.5,65.8 Q1#3.3 ; 32.62,53.6 32.5,53.47 ; 32.5,53.47 32.53,53.5 Q3#4.6 ; 32.5,53.47 32.38,53.6 31.7,53.6 31.5,53.8 Q1#4.3 ; 32.62,41.6 32.5,41.47 ; 32.5,41.47 32.53,41.5 Q3#5.6 ; 32.5,41.47 32.38,41.6 31.7,41.6 31.5,41.8 Q1#5.3 ; 32.62,29.6 32.5,29.47 ; 32.5,29.47 32.53,29.5 Q3#6.6 ; 32.5,29.47 32.38,29.6 31.7,29.6 31.5,29.8 Q1#6.3 ; 32.62,17.6 32.5,17.47 ; 32.5,17.47 32.53,17.5 Q3#7.6 ; 32.5,17.47 32.38,17.6 31.7,17.6 31.5,17.8 Q1#7.3 ; 32.62,5.6 32.5,5.47 ; 32.5,5.47 32.53,5.5 Q3#8.6 ; 32.5,5.47 32.38,5.6 31.7,5.6 31.5,5.8 Q1#8.3 ; Q3.6 32.53,89.5 32.5,89.47 ; 32.5,89.47 32.38,89.6 31.7,89.6 31.5,89.8 Q1.3 ; 32.5,89.47 32.62,89.6
Net-(Q2-Pad3): length 58.5
  Bottom w0.2: R4#2.2 32.58,72.67 33.2,73.3 34.2,73.3 34.6,73.7 34.6,76.3 34.8,76.5 Q3#2.3 ; R4#3.2 32.58,60.67 33.2,61.3 34.2,61.3 34.6,61.7 34.6,64.3 34.8,64.5 Q3#3.3 ; R4#4.2 32.58,48.67 33.2,49.3 34.2,49.3 34.6,49.7 34.6,52.3 34.8,52.5 Q3#4.3 ; R4#5.2 32.58,36.67 33.2,37.3 34.2,37.3 34.6,37.7 34.6,40.3 34.8,40.5 Q3#5.3 ; R4#6.2 32.58,24.67 33.2,25.3 34.2,25.3 34.6,25.7 34.6,28.3 34.8,28.5 Q3#6.3 ; R4#7.2 32.58,12.67 33.2,13.3 34.2,13.3 34.6,13.7 34.6,16.3 34.8,16.5 Q3#7.3 ; R4#8.2 32.58,0.67 33.2,1.3 34.2,1.3 34.6,1.7 34.6,4.3 34.8,4.5 Q3#8.3 ; R4.2 32.58,84.67 33.2,85.3 34.2,85.3 34.6,85.7 34.6,88.3 34.8,88.5 Q3.3
  Bottom w0.3: Q2#2.3 31.45,73.05 31.7,72.8 32.38,72.8 R4#2.2 ; Q2#3.3 31.45,61.05 31.7,60.8 32.38,60.8 R4#3.2 ; Q2#4.3 31.45,49.05 31.7,48.8 32.38,48.8 R4#4.2 ; Q2#5.3 31.45,37.05 31.7,36.8 32.38,36.8 R4#5.2 ; Q2#6.3 31.45,25.05 31.7,24.8 32.38,24.8 R4#6.2 ; Q2#7.3 31.45,13.05 31.7,12.8 32.38,12.8 R4#7.2 ; Q2#8.3 31.45,1.05 31.7,0.8 32.38,0.8 R4#8.2 ; Q2.3 31.45,85.05 31.7,84.8 32.38,84.8 R4.2
Net-(Q3-Pad1): length 12.6
  Bottom w0.2: Q3#2.1 34.7,77.5 34.4,77.8 34.4,78.4 ; Q3#3.1 34.7,65.5 34.4,65.8 34.4,66.4 ; Q3#4.1 34.7,53.5 34.4,53.8 34.4,54.4 ; Q3#5.1 34.7,41.5 34.4,41.8 34.4,42.4 ; Q3#6.1 34.7,29.5 34.4,29.8 34.4,30.4 ; Q3#7.1 34.7,17.5 34.4,17.8 34.4,18.4 ; Q3#8.1 34.7,5.5 34.4,5.8 34.4,6.4 ; 34.4,90.4 34.4,89.8 34.7,89.5 Q3.1
Net-(Q3-Pad2): length 52.2
  Bottom w0.17: Q3#2.2 37.1,77 37.5,76.6 37.97,76.6 38.28,76.3 38.9,76.3 39.2,76 39.57,76 R7#2.2 ; Q3#3.2 37.1,65 37.5,64.6 37.97,64.6 38.28,64.3 38.9,64.3 39.2,64 39.57,64 R7#3.2 ; Q3#4.2 37.1,53 37.5,52.6 37.97,52.6 R8#4.1 38.28,52.3 38.9,52.3 39.2,52 39.57,52 R7#4.2 ; Q3#5.2 37.1,41 37.5,40.6 37.97,40.6 R8#5.1 38.28,40.3 38.9,40.3 39.2,40 39.57,40 R7#5.2 ; Q3#6.2 37.1,29 37.5,28.6 37.97,28.6 R8#6.1 38.28,28.3 38.9,28.3 39.2,28 39.57,28 R7#6.2 ; Q3#7.2 37.1,17 37.5,16.6 37.97,16.6 R8#7.1 38.28,16.3 38.9,16.3 39.2,16 39.57,16 R7#7.2 ; Q3#8.2 37.1,5 37.5,4.6 37.97,4.6 R8#8.1 38.28,4.3 38.9,4.3 39.2,4 39.57,4 R7#8.2 ; R7.2 39.57,88 39.2,88 38.9,88.3 38.28,88.3 37.97,88.6 37.5,88.6 37.1,89 Q3.2
  Bottom w0.2: Q3#2.5 Q3#2.2 ; Q3#3.5 Q3#3.2 ; Q3#4.5 Q3#4.2 ; Q3#5.5 Q3#5.2 ; Q3#6.5 Q3#6.2 ; Q3#7.5 Q3#7.2 ; Q3#8.5 Q3#8.2 ; Q3.5 Q3.2
Net-(Q3-Pad4): length 8.1
  Bottom w0.2: Q3#2.4 33.03,76.5 R6#2.1 ; Q3#3.4 33.03,64.5 R6#3.1 ; Q3#4.4 33.03,52.5 R6#4.1 ; Q3#5.4 33.03,40.5 R6#5.1 ; Q3#6.4 33.03,28.5 R6#6.1 ; Q3#7.4 33.03,16.5 R6#7.1 ; Q3#8.4 33.03,4.5 R6#8.1 ; Q3.4 33.03,88.5 R6.1
Net-(Q6-Pad2): length 22.8
  Bottom w0.2: Q6#2.4 57.8,76.5 57.3,77 Q6#2.2 57.3,78.38 R14#2.1 ; Q6#3.4 57.8,64.5 57.3,65 Q6#3.2 57.3,66.38 R14#3.1 ; Q6#4.4 57.8,52.5 57.3,53 Q6#4.2 57.3,54.38 R14#4.1 ; Q6#5.4 57.8,40.5 57.3,41 Q6#5.2 57.3,42.38 R14#5.1 ; Q6#6.4 57.8,28.5 57.3,29 Q6#6.2 57.3,30.38 R14#6.1 ; Q6#7.4 57.8,16.5 57.3,17 Q6#7.2 57.3,18.38 R14#7.1 ; Q6#8.4 57.8,4.5 57.3,5 Q6#8.2 57.3,6.38 R14#8.1 ; Q6.4 57.8,88.5 57.3,89 Q6.2 57.3,90.38 R14.1
Net-(Q6-Pad3): length 151.4
  Top w0.2: v3(70,79.75) 69.85,79.9 66.4,79.9 65.9,79.4 65.9,78 65.7,77.8 62.4,77.8 61.65,78.55 61.15,78.55 60.2,77.6 58.9,77.6 ; v3(70,67.75) 69.85,67.9 66.4,67.9 65.9,67.4 65.9,66 65.7,65.8 62.4,65.8 61.65,66.55 61.15,66.55 60.2,65.6 58.9,65.6 ; v3(70,55.75) 69.85,55.9 66.4,55.9 65.9,55.4 65.9,54 65.7,53.8 62.4,53.8 61.65,54.55 61.15,54.55 60.2,53.6 58.9,53.6 ; v3(70,43.75) 69.85,43.9 66.4,43.9 65.9,43.4 65.9,42 65.7,41.8 62.4,41.8 61.65,42.55 61.15,42.55 60.2,41.6 58.9,41.6 ; v3(70,31.75) 69.85,31.9 66.4,31.9 65.9,31.4 65.9,30 65.7,29.8 62.4,29.8 61.65,30.55 61.15,30.55 60.2,29.6 58.9,29.6 ; v3(70,19.75) 69.85,19.9 66.4,19.9 65.9,19.4 65.9,18 65.7,17.8 62.4,17.8 61.65,18.55 61.15,18.55 60.2,17.6 58.9,17.6 ; v3(70,7.75) 69.85,7.9 66.4,7.9 65.9,7.4 65.9,6 65.7,5.8 62.4,5.8 61.65,6.55 61.15,6.55 60.2,5.6 58.9,5.6 ; 69.7,79.9 69.9,79.7 ; 69.7,67.9 69.9,67.7 ; 69.7,55.9 69.9,55.7 ; 69.7,43.9 69.9,43.7 ; 69.7,31.9 69.9,31.7 ; 69.7,19.9 69.9,19.7 ; 69.7,7.9 69.9,7.7 ; 58.9,77.6 v3(58.5,77.6) ; 58.9,77.6 58.7,77.6 ; 58.9,65.6 v3(58.5,65.6) ; 58.9,65.6 58.7,65.6 ; 58.9,53.6 v3(58.5,53.6) ; 58.9,53.6 58.7,53.6 ; 58.9,41.6 v3(58.5,41.6) ; 58.9,41.6 58.7,41.6 ; 58.9,29.6 v3(58.5,29.6) ; 58.9,29.6 58.7,29.6 ; 58.9,17.6 v3(58.5,17.6) ; 58.9,17.6 58.7,17.6 ; 58.9,5.6 v3(58.5,5.6) ; 58.9,5.6 58.7,5.6 ; 58.9,89.6 60.2,89.6 61.15,90.55 61.65,90.55 62.4,89.8 65.7,89.8 65.9,90 65.9,91.4 66.4,91.9 69.85,91.9 v3(70,91.75) ; 58.9,89.6 v3(58.5,89.6) ; 58.9,89.6 58.7,89.6 ; 69.7,91.9 69.9,91.7
  Bottom w0.2: Q8#2.4 v3(70,79.75) ; v3(70,79.75) 70,79.4 69.85,79.25 Q8#2.5 ; v3(70,79.75) 70,80 69.25,80.75 R15#2.1 ; Q8#3.4 v3(70,67.75) ; v3(70,67.75) 70,67.4 69.85,67.25 Q8#3.5 ; v3(70,67.75) 70,68 69.25,68.75 R15#3.1 ; Q8#4.4 v3(70,55.75) ; v3(70,55.75) 70,55.4 69.85,55.25 Q8#4.5 ; v3(70,55.75) 70,56 69.25,56.75 R15#4.1 ; Q8#5.4 v3(70,43.75) ; v3(70,43.75) 70,43.4 69.85,43.25 Q8#5.5 ; v3(70,43.75) 70,44 69.25,44.75 R15#5.1 ; Q8#6.4 v3(70,31.75) ; v3(70,31.75) 70,31.4 69.85,31.25 Q8#6.5 ; v3(70,31.75) 70,32 69.25,32.75 R15#6.1 ; Q8#7.4 v3(70,19.75) ; v3(70,19.75) 70,19.4 69.85,19.25 Q8#7.5 ; v3(70,19.75) 70,20 69.25,20.75 R15#7.1 ; Q8#8.4 v3(70,7.75) ; v3(70,7.75) 70,7.4 69.85,7.25 Q8#8.5 ; v3(70,7.75) 70,8 69.25,8.75 R15#8.1 ; Q6#2.3 57.8,77.8 58.3,77.8 v3(58.5,77.6) ; Q6#3.3 57.8,65.8 58.3,65.8 v3(58.5,65.6) ; Q6#4.3 57.8,53.8 58.3,53.8 v3(58.5,53.6) ; Q6#5.3 57.8,41.8 58.3,41.8 v3(58.5,41.6) ; Q6#6.3 57.8,29.8 58.3,29.8 v3(58.5,29.6) ; Q6#7.3 57.8,17.8 58.3,17.8 v3(58.5,17.6) ; Q6#8.3 57.8,5.8 58.3,5.8 v3(58.5,5.6) ; Q8.5 69.85,91.25 70,91.4 v3(70,91.75) ; v3(70,91.75) 70,92 69.25,92.75 R15.1 ; v3(70,91.75) Q8.4 ; Q6.3 57.8,89.8 58.3,89.8 v3(58.5,89.6)
Net-(Q6-Pad5): length 20.5
  Bottom w0.17: 55.9,75.8 56.2,75.5 56.8,75.5 ; 55.9,63.8 56.2,63.5 56.8,63.5 ; 55.9,51.8 56.2,51.5 56.8,51.5 ; 55.9,39.8 56.2,39.5 56.8,39.5 ; 55.9,27.8 56.2,27.5 56.8,27.5 ; 55.9,15.8 56.2,15.5 56.8,15.5 ; 55.9,3.8 56.2,3.5 56.8,3.5 ; 56.8,75.5 57.2,75.5 57.3,75.6 Q6#2.5 ; 56.8,75.5 Q6#2.6 ; 56.8,63.5 57.2,63.5 57.3,63.6 Q6#3.5 ; 56.8,63.5 Q6#3.6 ; 56.8,51.5 57.2,51.5 57.3,51.6 Q6#4.5 ; 56.8,51.5 Q6#4.6 ; 56.8,39.5 57.2,39.5 57.3,39.6 Q6#5.5 ; 56.8,39.5 Q6#5.6 ; 56.8,27.5 57.2,27.5 57.3,27.6 Q6#6.5 ; 56.8,27.5 Q6#6.6 ; 56.8,15.5 57.2,15.5 57.3,15.6 Q6#7.5 ; 56.8,15.5 Q6#7.6 ; 56.8,3.5 57.2,3.5 57.3,3.6 Q6#8.5 ; 56.8,3.5 Q6#8.6 ; 55.9,87.8 56.2,87.5 56.8,87.5 ; 56.8,87.5 57.2,87.5 57.3,87.6 Q6.5 ; 56.8,87.5 Q6.6
